# Altium PCB 80-BabyCarBatControl_PCB.PcbDoc (continued)
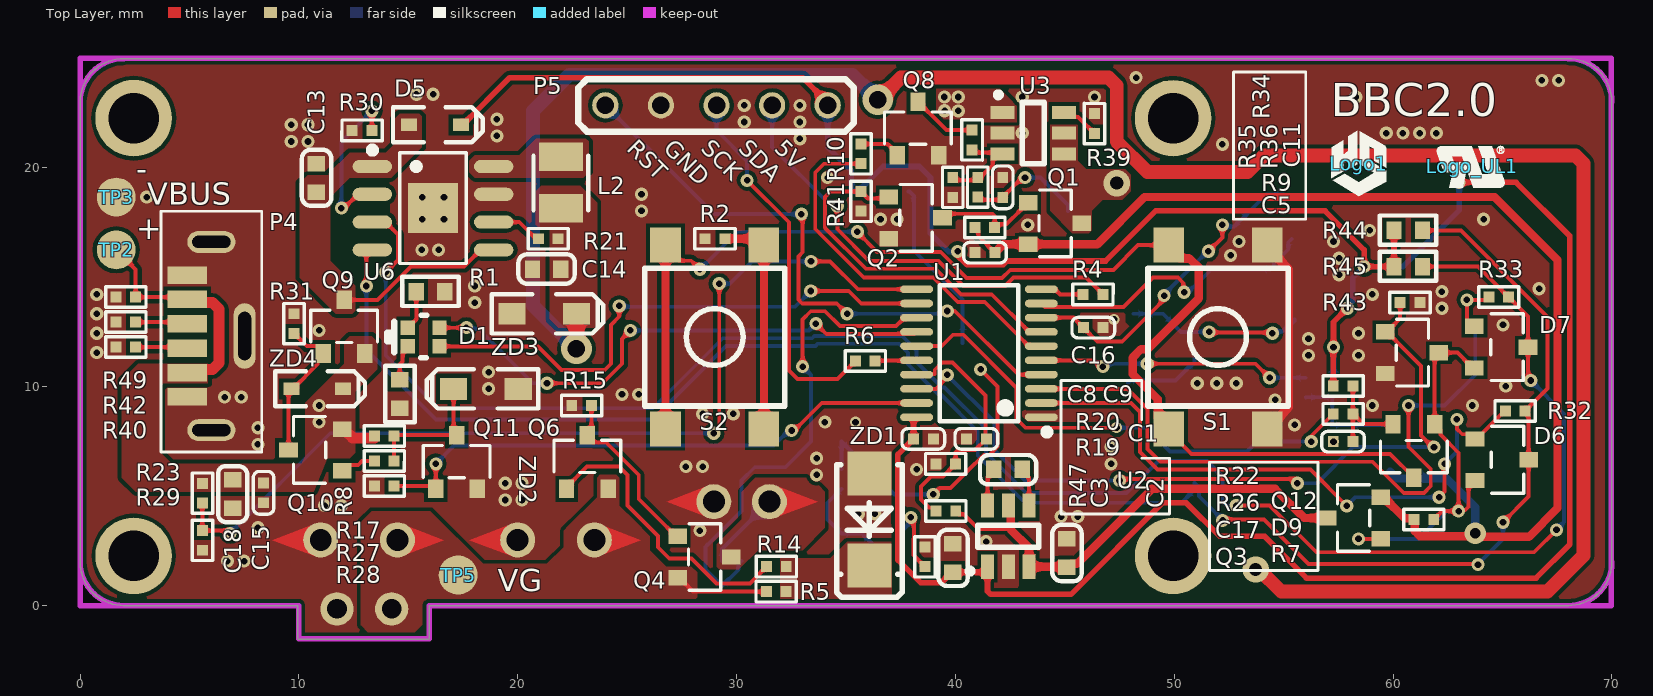
[diagram p0: Top Layer view]
## Nets (pads, with @x,y where several pads share a name; then routed paths per layer and width w, separated by ;. In a path a pad name is that pad's centre, name@x,y a point inside that pad or via, vN(x,y) a via of type N, cw(c..) or ccw(c..) an arc to the next point about the centre after c; other vN are vias at no path point)
5V: C3.2 C8.1 D4.1 D5.1 P5.1 R22.1 R37.2 R44.1 R45.1 U1.20 U2.1 | length 132.7
  Top Layer w0.254: D5.1 17.474,21.971 19.633,24.13 33.02,24.13 34.163,22.987 P5.1 ; C8.1@38.089,7.609 38.078,7.609 37.373,6.904 37.373,4.297 37.358,4.282 37.358,3.781 37.373,3.766 37.373,2.082 38.408,1.047 39.351,1.047 39.828,1.524 C3.2 41.465,1.524 41.465,0.657 41.614,0.508 45.28,0.508 49.471,4.699 50.546,4.699 52.081,3.164 54.137,3.164 56.044,1.257 66.535,1.257 68.072,2.794 68.072,16.891 65.626,19.337 v1(63.02,19.337) ; C8.1 38.089,8.562 38.133,8.606 U1.20 ; v1(40.1,16.185) 40.1,16.003 40.529,15.574 42.181,15.574 42.355,15.748 46.863,15.748 49.149,18.034 56.896,18.034 58.674,16.256 v1(58.674,15.494) R45.1 R44.1 ; R22.1 57.266,11.8 v1(57.277,11.811) 57.277,12.954 v1(57.912,13.589)
  Bottom Layer w0.254: P5.1 34.163,20.955 35.238,19.88 35.238,19.086 35.401,18.923 D4.1 35.551,18.923 36.694,20.066 38.354,20.066 38.862,19.558 38.862,17.006 39.703,16.165 40.08,16.165 v1(40.1,16.185) ; R37.2 v1(57.277,11.811) ; v1(57.912,13.589) 57.912,13.657 58.166,13.911 58.166,14.986 v1(58.674,15.494) 60.452,15.494 63.02,18.062 v1(63.02,19.337)
BAT_ADC: C9.2 R19.2 R20.1 U1.17 | length 11.8
  Top Layer w0.178: U1.17 38.26,10.589 39.037,10.589 39.057,10.609 39.057,10.776 39.389,11.108 39.859,11.108 41.37,9.596 41.37,7.663 C9.2 40.896,7.103 40.109,7.103 40.005,6.999 R20.1 39.429,5.901 38.881,5.901 38.422,5.442 38.422,4.845 38.794,4.473 38.961,4.473 R19.2
BATT_FUSE: C14.2 F1.1 L2.2 R21.2 U5.5 ZD3.1 | length 100.6
  Top Layer w0.635: v5(22.684,11.733) ZD3.1 ; v5(36.449,23.114) 36.5,23.114 37.516,24.13 46.999,24.13 47.371,23.758 47.371,21.209 48.768,19.812 53.34,19.812 54.102,20.574 68.335,20.574 68.707,20.202 68.707,2.286 67.056,0.635 54.89,0.635 53.874,1.651 v4(53.721,1.651)
  Bottom Layer w0.635: v5(22.684,11.733) 20.701,13.716 20.701,22.606 22.352,24.257 35.306,24.257 v5(36.449,23.114)
CC1: P4.A5 R40.1 | length 2.4
  Top Layer w0.178: R40.1 4.838,11.811 P4.A5
CC2: P4.B5 R42.1 | length 2.4
  Top Layer w0.178: R42.1 4.835,12.954 P4.B5
CEN: Q11.1 R28.2 U1.19 | length 26.2
  Top Layer w0.178: R28.2 16.133,5.461 Q11.1 v1(16.256,6.477) ; v1(32.512,8.001) 32.582,8.001 32.61,7.972 33.894,9.256 U1.19
  Bottom Layer w0.178: v1(16.256,6.477) 17.086,7.307 31.691,7.307 32.385,8.001 v1(32.512,8.001)
CHG_ADC: R23.1 R29.1 U1.11 | length 43.5
  Top Layer w0.178: R23.1 R29.1 6.731,3.429 v1(6.858,3.302) ; v1(28.956,7.874) 29.21,8.128 v1(29.21,14.711) ; v1(33.401,15.727) 34.277,15.727 35.548,14.456 U1.11
  Bottom Layer w0.178: v1(6.858,3.302) 11.43,7.874 v1(28.956,7.874) ; v1(29.21,14.711) 29.697,14.711 30.713,15.727 v1(33.401,15.727)
CHRG: D6.3 R32.1 R44.2 U5.7 U6.4 | length 84.8
  Top Layer w0.178: v1(13.081,14.605) 13.081,16.061 13.276,16.256 U6.4 ; v1(52.212,3.888) 52.261,3.937 54.102,3.937 56.134,1.905 63.846,1.905 v1(63.881,1.87) ; R44.2 63.107,17.145 67.056,13.196 67.056,9.917 66.19,9.051 R32.1 66.193,8.726 D6.3 66.193,4.979 v1(65.024,3.81)
  Bottom Layer w0.178: v1(13.081,14.605) 13.081,11.684 16.256,8.509 26.162,8.509 29.515,11.862 33.604,11.862 33.706,11.963 37.423,11.963 37.833,11.553 37.833,11.027 39.242,9.619 39.361,9.619 41.021,7.959 41.021,6.863 43.185,4.699 50.325,4.699 50.927,5.301 U5.7 51.138,5.39 51.138,4.996 51.459,4.675 52.197,3.937 52.197,3.903 v1(52.212,3.888) ; v1(63.881,1.87) 63.881,1.905 65.024,3.048 v1(65.024,3.81)
DONE: D7.3 R33.1 R45.2 U5.6 U6.3 | length 86.7
  Top Layer w0.178: U6.3 13.957,17.526 14.523,16.959 14.523,15.793 v1(13.97,15.24) ; v1(52.832,4.572) 54.356,4.572 56.492,2.436 66.444,2.436 v1(67.467,3.459) ; R45.2 63.881,15.494 R33.1 66.167,13.208 D7.3 66.167,10.414 v1(66.294,10.287)
  Bottom Layer w0.178: v1(13.97,15.24) 13.97,11.43 16.383,9.017 26.167,9.017 29.368,12.217 33.457,12.217 33.558,12.319 37.57,12.319 38.227,11.662 38.227,11.137 39.389,9.974 39.509,9.974 41.402,8.081 41.402,6.985 43.239,5.148 47.82,5.148 49.276,6.604 51.494,6.604 52.197,5.901 U5.6 52.217,5.581 52.217,4.719 52.363,4.572 v1(52.832,4.572) ; v1(66.294,10.287) 67.818,8.763 67.818,3.81 v1(67.467,3.459)
FAN+: C11.2 C20.2 D3.1 P2.1 R24.1 R36.1 TP1.1 | length 5.3
  Top Layer w0.178: R36.1@41.021,18.542 41.026,18.537 C11.2@42.158,18.537 ; C11.2 42.325,18.819 42.325,18.83 43.053,19.558 v1(43.18,19.558)
  Bottom Layer w0.178: v1(43.18,19.558) 43.891,19.558 45.136,18.313 D3.1
FAN_ADC: C16.2 R24.2 R25.1 U1.8 | length 14.8
  Top Layer w0.178: U1.8 45.391,13.156 C16.2 46.482,12.065 47.625,12.065 49.498,13.938 49.498,14.123 v1(49.537,14.163) ; v1(51.562,16.192) 52.197,16.828 v1(52.197,17.399)
  Bottom Layer w0.178: v1(49.537,14.163) 49.537,14.207 51.523,16.192 v1(51.562,16.192) ; v1(52.197,17.399) 52.282,17.314 52.736,17.314 R25.1 54.218,18.796 R24.2
FAN_HL: R10.1 U1.6 | length 17.4
  Top Layer w0.178: R10.1 33.997,20.193 33.596,19.793 33.596,17.2 35.811,14.986 38.989,14.986 40.107,13.868 41.34,13.868 43.352,11.856 U1.6
FEN: Q2.1 R41.1 U1.7 | length 16.3
  Top Layer w0.178: Q2.1@36.796,18.606 36.004,18.606 R41.1 34.29,18.923 34.036,18.669 34.036,17.264 35.907,15.392 39.085,15.392 40.254,14.224 41.659,14.224 43.377,12.506 U1.7
GEN: Q7.1 R16.2 U1.9 | length 13.8
  Top Layer w0.178: U1.9 44.085,13.648 47.684,13.648 49.022,14.986 50.165,14.986 50.419,14.732 50.419,14.351 v1(50.451,14.319)
  Bottom Layer w0.178: v1@50.451,14.319 50.641,14.319 51.689,15.367 54.385,15.367 Q7.1 54.549,15.606 55.211,16.268 55.211,16.603 R16.2
GEN_ADC: R3.1 R13.1 U1.13 | length 22.8
  Top Layer w0.178: v1(33.02,10.922) 33.02,13.082 33.39,13.452 34.046,13.452 34.73,12.768 37.29,12.768 37.677,13.156 U1.13
  Bottom Layer w0.178: R3.1 30.076,1.871 30.076,1.628 R13.1 28.575,1.651 28.575,2.69 28.679,2.794 28.702,2.794 30.226,4.318 30.226,5.715 30.832,6.321 32.229,6.321 33.401,7.493 33.401,10.541 v1(33.02,10.922)
GND: C2.1 C3.1 C4.2 C5.1 C6.1 C7.2 C8.2 C9.1 C10.1 C11.1 C12.2 C13.1 C14.1 C15.2 C16.1 C17.1 C18.1 C19.2 C20.1 C21.1 C22.2 D2.2 P1.1 P1.4 P1.5 P1.6 P2.0 P2.2 P3.2 P4.1 P4.2 P4.3 P4.A12 P4.B12 P5.4 Q2.3 Q7.3 Q8.3 Q11.3 Q12.3 R1.2 R2.2 R8.2 R12.1 R13.2 R15.1 R16.1 R18.1 R20.2 R25.2 R28.1 R29.2 R30.2 R31.1 R35.1 R39.2 R40.2 R41.2 R42.2 R43.2 R47.1 R49.2 S1.3 S1.4 TP3.1 TP4.1 U1.1 U2.2 U3.2 U4.5 U4.6 U5.3 U5.9 U6.7 U6.9 ZD1.2 ZD2.2 ZD3.2 | length 9.6
  Top Layer w0.178: C16.1 C16.1@46.908,12.861 ; v3@47.189,13.019 v3(47.25,13.081)
  Top Layer w0.381: S1.3 54.249,8.171 54.759,8.681 54.859,8.681 55.245,9.067 55.245,15.375 54.249,16.371 S1.4
  other v1: 6.731,2.032 7.493,2.032 41.402,2.921 28.321,3.429 8.128,3.556 44.831,4.064 45.593,4.064 35.56,4.191 36.322,4.191 11.176,4.572 11.938,4.572 19.431,4.826 20.193,4.826 19.431,5.588 20.193,5.588 33.655,5.969 38.227,6.223 27.686,6.35 28.448,6.35 47.117,6.477 33.655,6.731 47.117,7.239 8.128,7.366 8.128,8.128 55.499,8.255 34.036,8.382 28.448,8.763 29.845,8.763 59.055,9.144 63.627,9.144 54.61,9.398 6.604,9.525 7.366,9.525 24.765,9.652 25.527,9.652 18.669,9.906 65.151,10.033 51.054,10.16 51.943,10.16 52.832,10.16 18.669,10.668 56.134,11.43 58.42,11.43 0.762,11.557 56.134,12.192 0.762,12.446 58.42,12.446 10.922,12.573 65.024,12.827 0.762,13.335 62.23,13.589 18.034,13.843 0.762,14.224 59.055,14.224 62.23,14.351 66.675,14.478 18.034,14.605 57.531,15.113 57.531,15.875 52.578,16.002 15.621,16.256 16.383,16.256 52.959,16.637 57.277,16.637 58.928,17.145 43.307,17.399 36.576,17.653 37.338,17.653 64.135,17.653 25.654,18.034 3.048,18.669 25.654,18.796 34.163,19.558 52.197,21.082 9.652,21.209 10.414,21.209 32.893,21.336 19.05,21.463 43.053,21.59 59.69,21.59 60.452,21.59 61.214,21.59 61.976,21.59 9.652,21.971 10.414,21.971 30.353,22.098 32.893,22.098 19.05,22.225 30.353,22.86 32.893,22.86 43.053,23.241 46.355,23.241 58.293,23.241 15.367,23.368 16.129,23.368 66.802,24.003 67.564,24.003 48.26,24.13
  other v2: 15.629,17.661 16.629,17.661 15.629,18.661 16.629,18.661
  other v3: 57.277,7.493 35.433,8.382
KEY: R26.2 U1.15 | length 23.2
  Top Layer w0.178: U1.15 39.376,11.856 39.897,12.378 40.367,12.378 42.794,9.951 42.794,8.54 43.205,8.128 v3(47.371,8.128) ; v1(56.261,7.493) 56.261,7.758 R26.2
  Bottom Layer w0.178: v3(47.371,8.128) 48.716,8.128 49.802,7.042 53.322,7.042 53.773,7.493 v1(56.261,7.493)
LED_R: D1.2 U1.14 | length 24.9
  Top Layer w0.178: D1.2 17.649,12.696 v1(17.653,12.7) ; v1(21.336,10.16) 23.876,10.16 24.765,11.049 24.765,12.192 v1(25.146,12.573) ; v1(33.625,12.886) 34.098,12.413 38.134,12.413 U1.14
  Bottom Layer w0.178: v1(17.653,12.7) 17.712,12.641 18.22,12.641 20.701,10.16 v1(21.336,10.16) ; v1(25.146,12.573) 33.31,12.573 33.622,12.886 v1(33.625,12.886)
LED_W: D1.4 U1.12 | length 25.3
  Top Layer w0.178: D1.4 20.92,11.846 22,10.766 23.974,10.766 24.257,11.049 24.257,12.827 24.638,13.208 v1(24.638,13.695) ; v1(33.392,14.375) 35.126,14.375 35.695,13.806 U1.12
  Bottom Layer w0.178: v1(24.638,13.695) 24.676,13.657 32.674,13.657 v1(33.392,14.375)
MCUCH: D6.1 R32.2 U1.2 | length 28.5
  Top Layer w0.178: U1.2 48.016,9.256 48.429,8.843 48.429,7.013 49.227,6.215 56.225,6.215 v1(57.883,4.556) ; v1(62.103,4.953) 62.357,5.207 v1(62.357,6.477) ; v1(62.917,8.509) 62.923,8.502 62.923,8.07 63.162,7.831 63.527,7.831 D6.1 ; D6.1@63.818,7.615 64.932,8.729 64.968,8.729 R32.2
  Bottom Layer w0.178: v1(57.883,4.556) 57.892,4.556 58.288,4.953 v1(62.103,4.953) ; v1(62.357,6.477) 62.917,7.037 v1(62.917,8.509)
MCUDN: D7.1 R33.2 U1.3 | length 34.7
  Top Layer w0.178: U1.3 47.869,9.906 48.784,8.991 48.784,7.161 49.374,6.571 59.068,6.571 60.488,5.15 61.409,5.15 61.722,5.463 61.722,6.244 60.706,7.26 v1(60.706,9.144) ; D7.1 63.642,12.761 63.381,13.022 63.381,13.962 v1(63.373,13.97) 64.251,13.97 R33.2
  Bottom Layer w0.178: v1(60.706,9.144) 62.357,9.144 63.754,10.541 63.754,12.724 63.373,13.105 v1(63.373,13.97)
NetC1_1: C1.1 U2.4 | length 2
  Top Layer w0.178: C1.1 43.053,6.173 43.368,5.858 U2.4@43.368,4.321
NetC1_2: C1.2 U2.6 | length 2
  Top Layer w0.178: U2.6@41.468,4.321 41.468,5.888 41.753,6.173 C1.2
NetC4_1: C4.1 C6.2 Q4.2 R3.2 U4.1 U4.2 | length 3.6
  Bottom Layer w0.178: R3.2 29.337,2.586 C4.1
NetC7_1: C7.1 C10.2 D4.2 L1.2 Q5.3 R11.2 R46.2 | length 22.1
  Top Layer w0.178: v1(38.989,5.08) 39.283,5.374 39.78,5.374 40.529,6.124 40.529,6.126 41.292,6.89 41.56,6.89 41.93,7.26 41.93,10.013 v1(41.148,10.795)
  Bottom Layer w0.178: R46.2 C10.2 37.211,5.08 v1(38.989,5.08) ; D4.2 37.899,18.923 38.1,18.722 38.1,16.217 40.33,13.986 C7.1
NetC12_1: C12.1 Q5.2 U5.4
NetC13_2: C13.2 D5.2 Q9.2 U6.1 U6.5 | length 7.8
  Top Layer w0.178: Q9.2 13.589,13.97 15.113,15.494 17.539,15.494 18.301,16.256 U6.5
NetC17_2: C17.2 D9.2 R22.2 R26.1 | length 4.6
  Top Layer w0.178: C17.2 R26.1 ; R22.2 R26.1 ; D9.2 58.637,8.292 R26.1
NetC21_2: C21.2 P1.2 R37.1 R38.2 | length 5.3
  Bottom Layer w0.178: R38.2 56.013,9.52 R37.1@57.272,9.52 ; R37.1 R37.1@57.272,9.52 ; P1.2 59.728,8.255 C21.2 57.219,8.313 57.219,9.467 R37.1@57.272,9.52
NetD1_1: D1.1 R1.1 | length 1.8
  Top Layer w0.178: D1.1 15.367,13.089 R1.1
NetD1_3: D1.3 R8.1 | length 1.7
  Top Layer w0.178: R8.1 14.605,11.028 14.738,11.161 14.738,11.61 D1.3
NetD2_1: D2.1 L1.1 U4.7 U4.8
NetD3_2: D3.2 L4.2 U3.1
  other v1: 39.504,22.613 40.132,22.606 39.497,23.241 40.132,23.241
NetD6_2: D6.2 D7.2 D9.1 Q3.1 Q12.2 R7.2 | length 19.1
  Top Layer w0.178: v1(58.42,3.048) 59.304,3.048 Q3.1@59.436,3.18 ; R7.2 62.241,4.318 v1(62.992,4.318) ; D9.1@61.899,8.217 61.899,11.364 Q12.2 62.946,11.557 63.642,10.861 D7.2 ; D9.1 62.16,8.031 62.16,7.817 62.992,6.985 v1(62.992,4.318) ; D6.2 63.709,5.715 63.448,5.454 63.448,4.516 63.297,4.366 63.187,4.366 63.139,4.318 v1(62.992,4.318)
  Bottom Layer w0.178: v1(58.42,3.048) 61.165,3.048 62.435,4.318 v1(62.992,4.318)
NetL2_1: L2.1 U6.8
NetL4_1: L4.1 Q1.2 U3.4 U3.5
  other v4: 47.371,19.304
NetP5_2: P5.2 R4.2 | length 20.7
  Top Layer w0.178: v1(34.603,18.267) 34.603,17.2 36.055,15.748 39.233,15.748 40.376,14.605 42.272,14.605 42.653,14.986 45.974,14.986 R4.2
  Bottom Layer w0.178: P5.2 31.623,20.955 34.234,18.344 34.526,18.344 v1(34.603,18.267)
NetP5_3: P5.3 R6.2 | length 17
  Top Layer w0.178: v1(30.48,19.431) 32.395,17.516 32.395,10.746 32.785,10.355 34.612,10.355 R6.2
  Bottom Layer w0.178: P5.3 29.083,21.721 30.48,20.324 v1(30.48,19.431)
NetQ1_1: Q1.1 Q2.2 R9.2 | length 5.1
  Top Layer w0.178: Q2.2 39.599,17.907 41.69,17.907 41.794,17.803 R9.2 41.955,17.433 42.34,17.433 42.986,18.079 42.986,18.154 43.247,18.415 Q1.1
NetQ4_1: Q4.1 Q6.3 R15.2 | length 8.2
  Top Layer w0.178: R15.2 23.368,7.897 23.18,7.709 23.441,7.448 24.043,7.448 25.527,5.964 25.527,4.873 27.23,3.17 Q4.1
NetQ5_1: Q5.1 Q7.2 R11.1 | length 8
  Top Layer w0.178: v1(51.595,12.51) 51.627,12.478 54.451,12.478 v1(54.483,12.446)
  Bottom Layer w0.178: R11.1 Q5.1 49.482,13.335 50.307,12.51 v1(51.595,12.51) ; v1(54.483,12.446) 54.564,12.527 54.945,12.527 55.163,12.745 55.238,12.745 55.499,13.006 Q7.2
NetQ6_1: Q6.1 R14.1 | length 13.2
  Top Layer w0.178: Q6.1 22.23,5.409 23.171,6.35 24.638,6.35 25.019,5.969 25.019,4.572 26.416,3.175 26.416,2.667 26.924,2.159 27.94,2.159 29.083,1.016 30.607,1.016 31.242,1.651 R14.1
NetQ8_1: Q8.1 R10.2 | length 1.9
  Top Layer w0.178: R10.2 36.898,21.093 37.338,20.653 Q8.1
NetQ8_2: Q8.2 R34.1 | length 3.1
  Top Layer w0.178: Q8.2 38.288,22.953 38.549,22.692 38.624,22.692 39.588,21.728 R34.1
NetQ9_1: Q9.1 Q10.3 R31.2 ZD4.2 | length 6.9
  Top Layer w0.178: Q10.3 9.525,9.779 ZD4.2 9.727,9.906 10.854,11.033 10.854,11.259 Q9.1 11.115,11.595 10.854,11.856 10.358,11.856 R31.2
NetQ10_1: Q10.1 R27.1 | length 1.7
  Top Layer w0.178: Q10.1 12.236,6.423 12.71,6.423 12.891,6.604 R27.1
NetQ11_2: Q11.2 R17.1 R27.2 ZD2.1 | length 6.2
  Top Layer w0.178: R27.2 R17.1 14.392,7.788 Q11.2 17.067,7.927 ZD2.1
NetR2_1: R2.1 S2.3 S2.4 | length 10.3
  Top Layer w0.381: R2.1 30.956,16.764 S2.4 S2.3
NetR5_1: R5.1 R14.2 ZD1.1
NetR12_2: R12.2 U5.2 | length 3.7
  Bottom Layer w0.178: R12.2 47.995,10.287 50.05,10.287 50.669,10.906 50.716,10.906 50.927,11.117 U5.2
NetR18_2: R18.2 R46.1 U4.4 | length 4.6
  Bottom Layer w0.178: R46.1 34.163,4.699 34.163,3.937 R18.2 35.722,3.302 36.195,2.829 U4.4
NetR21_1: R21.1 U6.6 | length 2.2
  Top Layer w0.178: U6.6 20.066,17.526 R21.1@20.828,16.764
NetR30_1: R30.1 U6.2 | length 7.6
  Top Layer w0.178: v1(11.938,18.161) 12.065,18.161 12.7,18.796 U6.2 ; R30.1 v1(13.335,22.606)
  Bottom Layer w0.178: v1(11.938,18.161) 11.938,21.209 v1(13.335,22.606)
NetR34_2: R34.2 R35.2 R36.2 U3.3 | length 4.2
  Top Layer w0.178: R35.2@39.878,19.431 39.883,19.436 41.015,19.436 41.021,19.442 41.7,20.121 41.7,20.429 U3.3@41.911,20.64 ; R34.2 40.894,20.701 42.1,20.701 U3.3
NetR39_1: R39.1 U3.6 | length 1.8
  Top Layer w0.178: U3.6 45.172,22.329 45.605,22.329 R39.1
NetR47_2: R47.2 U4.3 | length 4.2
  Top Layer w0.178: v1(37.962,4.032) 37.962,3.917 38.1,3.78 38.1,3.047 38.091,3.038 38.091,2.318 38.1,2.309 38.1,2.286 R47.2
  Bottom Layer w0.178: U4.3 37.524,2.412 37.524,3.361 v1@37.973,3.81
NTC: R38.1 U1.5 | length 12.5
  Top Layer w0.178: U1.5 46.325,11.206 46.609,10.922 v1(46.736,10.922) ; v1(48.768,11.049) 53.721,11.049 v1(54.356,10.414)
  Bottom Layer w0.178: v1(46.736,10.922) 46.863,11.049 v1(48.768,11.049) ; v1(54.356,10.414) R38.1
P_Button: D9.3 S1.1 S1.2 S2.1 S2.2 | length 57.6
  Top Layer w0.178: S2.2 26.751,16.371 27.362,15.76 27.928,15.76 v1(28.321,15.367) ; v1(35.519,17.085) 35.519,17.059 36.426,16.152 39.331,16.152 40.51,14.973 42.137,14.973 42.505,15.342 47.219,15.342 48.348,16.471 S1.2 ; S1.1 49.751,7.971 50.796,6.926 59.865,6.926 D9.3
  Top Layer w0.381: S2.1 S2.2@26.751,16.371 ; S1.1 49.241,8.581 49.241,9.443 48.1,10.584 48.1,11.326 48.491,11.717 48.794,11.717 51.119,14.042 51.119,14.345 51.119,15.447 50.704,15.862 50.26,15.862 49.751,16.371 S1.2
  Bottom Layer w0.178: v1(28.321,15.367) 30.039,17.085 v1(35.519,17.085)
PLOCK: Q12.1 R43.1 U1.18 | length 35.4
  Top Layer w0.178: U1.18 39.116,9.906 39.624,10.414 v1(39.624,10.541) ; v1(47.498,5.715) 47.574,5.791 55.423,5.791 v1(55.626,5.588) ; Q12.1 Q12.1@59.717,12.507 ; R43.1 60.325,13.115 Q12.1@59.717,12.507 ; v1(61.871,7.239) 61.8,7.239 61.273,7.766 61.273,10.951 Q12.1@59.717,12.507
  Bottom Layer w0.178: v1(39.624,10.541) 41.783,8.382 41.783,7.112 43.18,5.715 v1(47.498,5.715) ; v1(55.626,5.588) 56.515,5.588 58.166,7.239 v1(61.871,7.239)
RST: P5.5 U1.4 | length 27.7
  Top Layer w0.178: v1(32.961,17.886) 33.02,17.827 33.02,16.148 32.825,15.952 32.825,13.986 33.003,13.808 34.579,13.808 v1(35.052,13.335) ; v1(39.624,13.462) 39.971,13.462 42.877,10.556 U1.4
  Bottom Layer w0.178: P5.5 28.977,17.886 v1(32.961,17.886) ; v1(35.052,13.335) 39.497,13.335 v1(39.624,13.462)
SCK: R6.1 U1.16 | length 1.9
  Top Layer w0.178: R6.1 36.348,11.191 38.212,11.191 U1.16
SDA: R4.1 U1.10 | length 2
  Top Layer w0.178: U1.10 44.549,14.456 44.781,14.224 R4.1
VBAT: C5.2 F1.2 P1.3 Q1.3 Q3.3 R7.1 R9.1 | length 56.3
  Top Layer w0.178: R9.1 41.055,17.111 41.055,16.879 C5.2
  Top Layer w0.381: C5.2 42.191,16.515 Q1.3 43.327,16.51 46.482,16.51 48.641,18.669 64.643,18.669 67.513,15.799 67.513,4.45 66.205,3.142 63.919,3.142 v6(63.754,3.307) 63.591,3.307 63.459,3.175 61.215,3.175 60.992,3.398 R7.1@60.992,3.905 ; Q3.3@59.511,5.08 59.67,4.921 59.67,4.846 60.52,3.996 60.901,3.996 R7.1
  Bottom Layer w0.381: P1.3 60.174,5.809 62.446,5.809 63.754,4.501 v6(63.754,3.307)
VBUS: C15.1 C18.2 P4.A9 P4.B9 Q9.3 Q10.2 R17.2 R23.2 R49.1 TP2.1 ZD4.1 | length 12.3
  Top Layer w0.178: TP2.1 2.54,15.367 R49.1 4.792,14.097 P4.A9
  Top Layer w0.508: P4.B9 5.046,10.795 6.052,10.795 6.35,11.093 6.35,13.545 6.052,13.843 5.046,13.843 P4.A9 ; Q10.2 12.071,7.966 12.146,7.966 12.46,7.652 R17.2@13.451,7.652
  other v1: 10.922,8.382 10.922,9.144
VCC: C2.2 Q3.2 R19.1 U2.3 U2.5 | length 22.1
  Top Layer w0.178: R19.1 40.163,4.171 40.391,4.171 41.058,3.504 42.343,3.504 42.418,3.579 U2.5@42.418,4.321
  Top Layer w0.381: U2.5@42.418,4.321 42.527,4.211 42.527,3.483 43.368,2.642 U2.3@43.368,1.778 ; U2.3 43.371,1.778 45.165,1.778 45.294,1.907 45.548,1.907 48.975,5.334 54.61,5.334 55.941,4.003 Q3.2
VG: C19.1 C22.1 P3.1 Q4.3 Q6.2 R5.2 TP5.1 | length 4.3
  Top Layer w0.178: Q4.3 27.38,1.27 28.015,0.635 R5.2
pads on no net: U5.1 U5.8

## Polygon pours and split planes (outlines as drawn)
VG on Top Layer "NONET_L-01_P-001" (solid, remove dead copper, pour order 1): 12.827,0.254 12.827,3.81 13.335,4.318 16.002,4.318 18.415,1.905 21.336,1.905 22.098,2.667 22.098,3.429 22.86,4.191 25.019,4.191 26.035,3.175 26.035,2.54 26.797,1.778 27.94,1.778 28.194,1.524 28.194,0.381 28.067,0.254
VG on Top Layer "VG_L01_P000" (solid, remove dead copper, pour order 0): 16.183,0.635 15.748,0.2 15.748,-0.762 15.24,-1.27 13.208,-1.27 12.827,-0.889 12.827,0.635
GND on Top Layer "NONET_L-01_P-001" (solid, remove dead copper, pour order 30): 0,0 9.949,0 9.949,-1.524 12.954,-1.524 12.954,0 69.977,0 69.977,25.019 0,25.019
VBUS on Top Layer "NONET_L-01_P-001" (solid, remove dead copper, pour order 13): 5.842,11.049 2.667,11.049 1.905,10.287 1.905,5.842 2.54,5.207 10.668,5.207 11.303,6.731 12.319,6.731 12.573,6.985 12.573,9.779 13.589,10.795 13.589,12.065 13.335,12.319 12.319,12.319 12.065,12.065 12.065,11.049 10.287,9.271 10.287,6.858 10.096,6.477 8.255,6.477 4.191,6.477 3.683,6.985 3.683,10.033 3.81,10.16 5.842,10.16
NetD3_2 on Top Layer "NONET_L-01_P-001" (solid, remove dead copper, pour order 27): 39.116,23.622 42.037,23.622 42.799,22.86 42.799,22.098 41.275,22.098 41.148,22.225 39.37,22.225 39.116,22.479
NetL4_1 on Top Layer "NONET_L-01_P-001" (solid, remove dead copper, pour order 23): 44.323,21.971 45.593,21.971 45.593,20.32 45.974,19.939 47.752,19.939 48.006,19.685 48.006,18.923 47.625,18.542 46.736,18.542 46.228,18.034 46.228,17.145 46.101,17.018 45.339,17.018 44.323,18.034
BATT_FUSE on Top Layer "NONET_L-01_P-001" (solid, remove dead copper, pour order 19): 20.828,18.923 20.828,17.399 20.955,17.272 21.336,17.272 21.463,17.145 21.463,13.081 21.844,12.7 23.495,12.7 23.622,12.827 23.622,18.415 22.86,19.177 21.082,19.177
NetL2_1 on Top Layer "NONET_L-01_P-001" (solid, remove dead copper, pour order 16): 18.034,20.574 20.066,20.574 20.828,21.336 23.114,21.336 23.241,21.209 23.241,19.812 22.987,19.558 18.034,19.558 17.78,19.812 17.78,20.32
NetC13_2 on Top Layer "NONET_L-01_P-001" (solid, remove dead copper, pour order 14): 12.573,13.462 12.573,14.605 11.43,15.748 11.43,18.669 12.319,19.558 14.224,19.558 15.621,20.955 15.621,22.352 15.494,22.479 14.605,22.479 14.351,22.225 14.351,21.082 13.97,20.701 12.319,20.701 11.303,19.685 10.414,19.685 10.033,19.304 10.033,14.986 11.684,13.335 12.446,13.335
VG on Top Layer "NONET_L-01_P-001" (solid, remove dead copper, pour order 12): 22.098,3.429 23.622,4.953 23.622,5.842 23.749,5.969 24.511,5.969 24.638,5.842 24.638,4.572 25.781,3.429
NetC4_1 on Top Layer "NONET_L-01_P-001" (solid, remove dead copper, pour order 3): 29.083,1.778 29.083,2.794 30.226,3.937 30.226,5.207 30.861,5.842 33.401,5.842 34.036,5.207 34.036,3.556 33.02,2.54 30.988,2.54 30.099,1.651 29.21,1.651
NetR5_1 on Top Layer "NONET_L-01_P-001" (solid, remove dead copper, pour order 2): 32.004,2.159 34.29,2.159 35.052,2.921 37.084,2.921 37.084,2.667 37.084,0.254 32.004,0.254
NetD3_2 on Bottom Layer "NETD3_2_L02_P029" (solid, remove dead copper, pour order 29): 40.259,24.511 38.862,23.114 38.862,21.082 40.132,19.812 41.91,19.812 41.91,24.257 41.656,24.511
NetD3_2 on Bottom Layer "NONET_L-01_P-001" (solid, remove dead copper, pour order 21): 40.259,24.511 39.497,23.749 39.497,16.637 39.624,16.51 41.783,16.51 41.91,16.637 41.91,24.257 41.656,24.511
GND on Bottom Layer "NONET_L-01_P-001" (solid, remove dead copper, pour order 28): 0,0 9.949,0 9.949,-1.524 15.949,-1.524 15.949,0 69.977,0 69.977,25.019 0,25.019
NetC7_1 on Bottom Layer "NONET_L-01_P-001" (solid, remove dead copper, pour order 7): 43.053,6.35 43.053,8.255 40.005,11.303 38.735,11.303 38.481,11.557 38.481,12.446 41.783,15.748 49.784,15.748 50.038,15.494 50.038,14.986 49.022,13.97 44.196,13.97 43.053,12.827 43.053,11.938 46.355,8.636 46.609,8.382 46.609,6.35 46.355,6.096 43.307,6.096
VBAT on Bottom Layer "NONET_L-01_P-001" (solid, remove dead copper, pour order 10): 55.753,1.143 55.753,5.207 57.404,6.858 61.341,6.858 61.595,6.604 61.595,5.588 61.341,5.334 58.42,5.334 57.15,4.064 57.15,1.016 57.023,0.889 56.007,0.889
FAN+ on Bottom Layer "NONET_L-01_P-001" (solid, remove dead copper, pour order 22): 44.069,19.431 46.228,19.431 46.355,19.304 46.355,18.796 46.736,18.415 50.546,18.415 52.832,20.701 52.832,24.003 53.086,24.257 54.737,24.257 54.991,24.003 54.991,21.463 55.626,20.828 61.341,20.828 61.468,20.701 61.468,19.685 61.214,19.431 53.34,19.431 50.546,16.637 44.069,16.637
NetL4_1 on Bottom Layer "NONET_L-01_P-001" (solid, remove dead copper, pour order 20): 43.561,24.511 43.561,20.701 43.688,20.574 45.466,20.574 46.736,19.304 46.736,18.923 46.99,18.669 47.752,18.669 48.006,18.923 48.006,20.447 45.72,22.733 45.72,24.13 45.339,24.511
BATT_FUSE on Bottom Layer "NONET_L-01_P-001" (solid, remove dead copper, pour order 9): 52.959,6.35 52.959,1.143 53.086,1.016 54.483,1.016 54.61,1.143 54.61,6.35
NetC12_1 on Bottom Layer "NONET_L-01_P-001" (solid, remove dead copper, pour order 8): 51.308,14.732 53.268,14.732 53.975,14.025 53.975,10.795 53.848,10.668 53.086,10.668 52.832,10.922 52.832,13.335 52.451,13.716 51.308,13.716 51.181,13.843 51.181,14.605
NetD2_1 on Bottom Layer "NONET_L-01_P-001" (solid, remove dead copper, pour order 6): 34.544,11.684 34.544,9.271 34.925,8.89 37.719,8.89 38.1,8.509 38.1,7.112 42.926,2.286 42.926,0.508 43.18,0.254 46.355,0.254 46.609,0.508 46.609,2.667 46.228,3.048 44.831,3.048 40.767,7.112 40.767,8.636 39.878,9.525 38.735,9.525 37.338,10.922 37.338,11.557 37.084,11.811 34.671,11.811
NetC4_1 on Bottom Layer "NONET_L-01_P-001" (solid, remove dead copper, pour order 5): 38.608,3.556 40.386,3.556 40.64,3.302 40.64,0.889 39.878,0.127 33.528,0.127 33.147,0.508 33.147,2.159 32.385,2.921 31.877,2.921 30.48,4.318 30.48,5.207 31.115,5.842 32.766,5.842 33.528,5.08 33.528,3.429 35.687,1.27 37.846,1.27 38.227,1.651 38.227,3.175

## Keep-outs
Keep-Out Layer:
  lines w0.254: 0,2 ccw(c2,2) 2,0 ; 0,23 cw(c2,23) 2,25 ; 68,0 ccw(c68,2) 70,2 ; 68,25 cw(c68,23) 70,23 ; 0,0 9.985,0 9.985,-1.524 15.954,-1.524 15.954,0 69.977,0 69.977,2.667 69.977,25.019 66.675,25.019 0,25.019 0,0

## Other copper
Top Layer:
  pour cut-out: 42.601,8.348 42.567,8.382 42.164,8.382 42.164,9.627 42.375,9.838 42.522,9.838
  pour cut-out: 14.143,18.346 14.143,17.976 14.028,17.976 13.716,18.288
  pour cut-out: 41.141,8.048 39.36,8.048 39.056,8.352
  pour cut-out: 42.89,1.047 42.89,0.925 43.053,0.762 43.18,0.889 43.18,1.143
  pour cut-out: 47.752,13.462 47.752,12.954 48.006,12.7 48.006,13.716
Bottom Layer:
  pour cut-out: 13.52,15.054 13.425,14.959 13.425,14.897 13.531,14.791 13.587,14.847 13.698,14.847
  pour cut-out: 30.479,2.412 30.861,2.794 31.965,2.794

## Silkscreen, mask and mechanical layers (free items; w line width, h text height)
Top Overlay:
  lines w0.127: 48.514,6.731 49.784,6.731 49.784,4.191 44.831,4.191 44.831,10.287 48.514,10.287 48.514,8.509 ; 51.613,1.6 56.566,1.6 56.566,6.553 51.613,6.553 51.613,1.6 ; 52.705,17.653 56.007,17.653 56.007,24.384 52.705,24.384 52.705,17.653
  text "BBC2.0" at 57.15,22.352 h1.52
  text "RST" at 24.945,20.828 h0.76 r315
  text "GND" at 26.596,20.828 h0.76 r315
  text "SCK" at 28.31,20.828 h0.76 r315
  text "SDA" at 30.025,20.828 h0.76 r315
  text "5V" at 31.676,20.828 h0.76 r315
  text "-" at 2.565,19.457 h1.02
  text "VBUS" at 3.073,18.313 h1.02
  text "+" at 2.565,16.747 h1.02
  text "VG" at 19.075,0.66 h1.02
Bottom Overlay:
  text "FAN" at 56.007,21.59 h0.51
  text "-" at 57.252,21.362 h1.02
  text "+" at 54.077,21.319 h1.02
Top Solder:
  lines w0.508: 9.271,5.715 9.906,5.715 10.795,6.604 10.795,7.366
Mechanical 1:
  the board outline again, w0.254

## Dimensions
2.449,22.271 to 49.949,22.271 on Mechanical 1
2.449,22.271 to 2.449,2.271 on Mechanical 1